# Altium PCB PCB_TEST.PcbDoc (part 5 of 6) (continued)
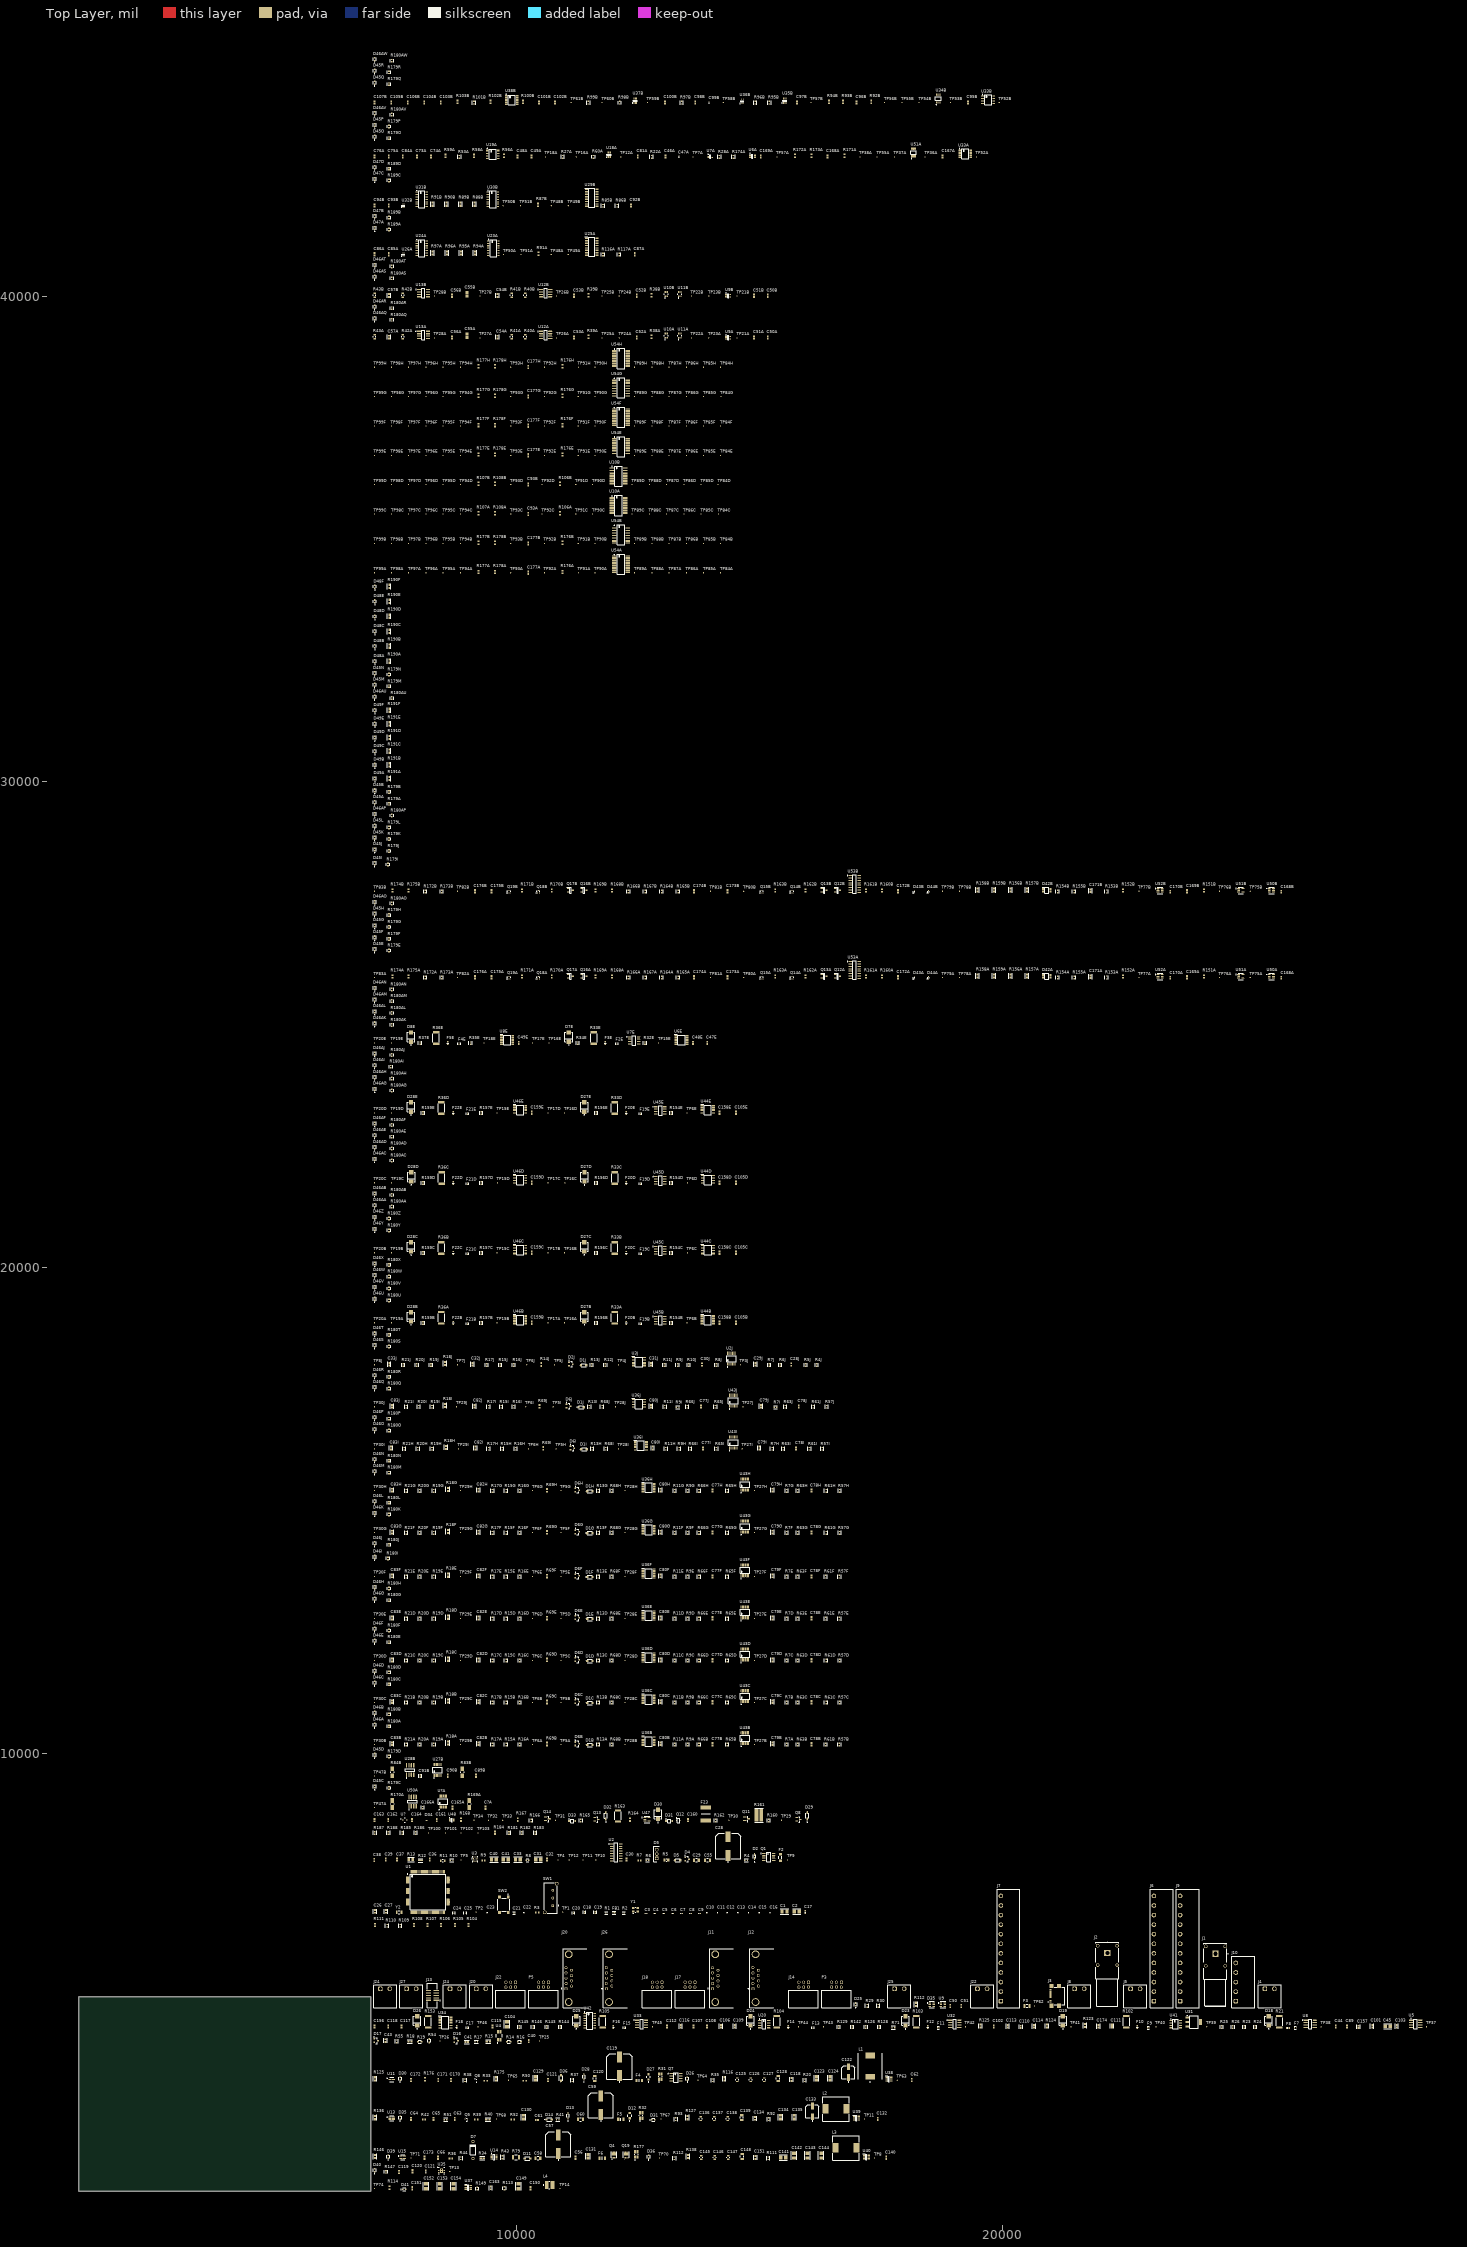
[diagram p0: Top Layer view]
## Part data (continued)
R112: library part CMP-009-00284-1, "Res Thick Film 0603 19.1K Ohm 1% 0.1W(1/10W) ±100ppm/C Pad SMD T/R Automotive AEC-Q200", Case/Package=0603, Max Operating Temperature=155°C, Min Operating Temperature=-55°C, Tolerance=1%, Voltage Rating=75V, Mounting Technology="Surface Mount"
R113: library part CMP-009-00285-1, "CRCW-HP FIXED RESISTOR 0603 (1608Metric) Chip Resistor ±1% ±100ppm/C 33.2kOhm 0.25W 1/4W", Case/Package=0603, Max Operating Temperature=155°C, Min Operating Temperature=-55°C, Tolerance=1%, Voltage Rating=75V, Mounting Technology="Surface Mount"
R116 R125: library part CMP-009-00301-1, "Res Thick Film 0603 12K Ohm 1% 0.1W(1/10W) ±100ppm/C Pad SMD Automotive T/R", Ambient Temperature Range High=70°C, Case/Package=0603, Manufacturer Lifecycle Status=ACTIVE, Max Operating Temperature=155°C, Min Operating Temperature=-55°C, Operating Supply Voltage=75V, Power Rating=100mW, Ratings=AEC-Q200, Temperature Coefficient=100ppm/°C, Tolerance=1%, China RoHS=Non-Compliant, Composition="Thick Film", Export Control Classification Number (ECCN) Code=EAR99, Harmonized Tariff Schedule (HTS) Code=8533.21.00.30, Height=450µm, Introduction Date=2018-03-13, Length=1.6mm, Lifecycle Status=Production, Mounting Technology="Surface Mount", Number of Terminals=2, Packaging="Cut Tape", REACH SVHC=Yes, RoHS=Compliant, Schedule B="8533210025, 8533210025", Voltage Rating=75V, Voltage Rating (DC)=75V, Width=800µm, Working Voltage=75V
R123: library part CMP-009-00271-1, "Fixed Resistor, Thin Film, 0.1W, 20000ohm, 75V, 1% +/-Tol, 50ppm/Cel, Surface Mount, 0603", Case/Package=0603, Max Operating Temperature=125°C, Min Operating Temperature=-55°C, Power Rating=100mW, Temperature Coefficient=50ppm/°C, Tolerance=1%, Voltage Rating=75V, China RoHS=Non-Compliant, Composition="Thin Film", Country of Origin="Germany, Israel", Export Control Classification Number (ECCN) Code=EAR99, Harmonized Tariff Schedule (HTS) Code=8533.21.00.30, Height=450µm, Introduction Date=2008-09-01, Lead Free="Lead Free", Length=1.55mm, Lifecycle Status=Production, Mounting Technology="Surface Mount", Number of Terminals=2, REACH SVHC=Yes, RoHS=Compliant, Width=850µm, Working Voltage=75V
R124 R125: library part CMP-009-00211-1, "Res Thin Film 0603 1M Ohm 0.1% 0.1W(1/10W) ±25ppm/C Sulfur Resistant Pad SMD Automotive T/R", Case/Package=0603, Max Operating Temperature=155°C, Min Operating Temperature=-55°C, Tolerance=0.1%, Voltage Rating=75V, Mounting Technology="Surface Mount"
R127 R136: library part CMP-009-00302-1, "Res Thick Film 0603 5.6K Ohm 1% 0.1W(1/10W) ±100ppm/C Pad SMD Automotive T/R", Ambient Temperature Range High=70°C, Case/Package=0603, Manufacturer Lifecycle Status=ACTIVE, Max Operating Temperature=155°C, Min Operating Temperature=-55°C, Operating Supply Voltage=75V, Power Rating=100mW, Ratings=AEC-Q200, Temperature Coefficient=100ppm/°C, Tolerance=1%, China RoHS=Compliant, Composition="Thick Film", Height=450µm, Length=1.6mm, Lifecycle Status=Production, Mounting Technology="Surface Mount", Number of Terminals=2, Packaging="Cut Tape", REACH SVHC=Yes, RoHS=Compliant, Schedule B="8533210025, 8533210025", Voltage Rating=75V, Voltage Rating (DC)=75V, Width=800µm, Working Voltage=75V
R147 R149 R179A R179B R179C R179D R179E R179F R179G R179H R179I R179J R179K R179L R179M R179N R179O R179P R179Q R179R R180A R180AA R180AB R180AC R180AD R180AE R180AF R180AG R180AH R180AI R180AJ R180AK R180AL R180AM R180AN R180AO R180AP R180AQ R180AR R180AS R180AT R180AU R180AV R180AW R180B R180C R180D R180E R180F R180G R180H R180I R180J R180K R180L R180M R180N R180O R180P R180Q R180R R180S R180T R180U R180V R180W R180X R180Y R180Z R189A R189B R189C R189D: library part CMP-009-00300-1, "Fixed Resistor, Metal Glaze/Thick Film, 0.1W, 680ohm, 75V, 5% +/-Tol, Surface Mount, 0603", Case Code (Imperial)=0603, Max Operating Temperature=155°C, Max Power Dissipation=100mW, Min Operating Temperature=-55°C, Ratings=AEC-Q200, Temperature Coefficient=200ppm/°C, Tolerance=5%, Voltage Rating=75V, Case/Package=0603, China RoHS=Non-Compliant, Composition="Thick Film", Contact Plating=Tin, Country of Origin="Israel, Taiwan", Depth=850µm, Export Control Classification Number (ECCN) Code=EAR99, Features="Automotive AEC-Q200", Harmonized Tariff Schedule (HTS) Code=8533.21.00.30, Height=450µm, Introduction Date=2005-02-16, Lead Free="Lead Free", Length=1.55mm, Lifecycle Status=Production, Military Standard=Not, Mounting Technology="Surface Mount", Number of Terminals=2, Number of Terminations=2, Packaging="Cut Tape", Pins=2, Power Rating=100mW, Radiation Hardening=No, REACH SVHC=Yes, RoHS=Compliant, Schedule B="8533210045, 8533210045", Termination=SMD/SMT, Voltage Rating (DC)=75V, Weight=2.012816mg, Width=850µm, Working Voltage=75V
R151A R151B R152A R152B R160A R160B R161A R161B R168A R168B R169A R169B: library part CMP-009-00023-5, "Chip Resistor, 100 KOhm, +/- 1%, 0.1 W, -55 to 155 degC, 0603 (1608 Metric)", Case/Package=0603, Max Operating Temperature=155°C, Min Operating Temperature=-55°C, Power=100mW, Tolerance=1%, Voltage Rating=50V, Mounting Technology=SM, Pins=2, RoHS Compliant=True
R153A R153B: library part CMP-009-00247-1, "Res Thick Film 0603 200K Ohm 1% 0.1W ±100ppm/°C Molded SMD Paper T/R", Case/Package=0603, Max Operating Temperature=155°C, Max Power Dissipation=100mW, Min Operating Temperature=-55°C, Temperature Coefficient=100ppm/°C, Tolerance=1%, Voltage Rating=75V, China RoHS=Non-Compliant, Composition="Thick Film", Contact Plating=Tin, Country of Origin="Japan, Mainland China, Taiwan", Export Control Classification Number (ECCN) Code=EAR99, Features="Automotive AEC-Q200", Harmonized Tariff Schedule (HTS) Code=8533.21.00.30, Height=450µm, Introduction Date=2011-01-07, Length=1.55mm, Lifecycle Status=Production, Mounting Technology="Surface Mount", Number of Terminals=2, Number of Terminations=2, Packaging="Tape & Reel (TR)", Power Dissipation=100mW, Power Rating=100mW, Radiation Hardening=No, REACH SVHC=Yes, RoHS=Compliant, Width=800µm, Working Voltage=75V
R154A R154B R155A R155B R164A R164B R165A R165B: library part CMP-009-00292-1, "100mW Thin Film Resistor 75V ±25ppm/℃ ±0.1% 2.2kΩ 0603 Chip Resistor - Surface Mount ROHS", Case Code (Imperial)=0603, Max Operating Temperature=155°C, Max Power Dissipation=100mW, Min Operating Temperature=-55°C, Temperature Coefficient=25ppm/°C, Tolerance=0.1%, Voltage Rating=75V, Voltage Rating (DC)=50V, Case/Package=0603, China RoHS=Non-Compliant, Composition="Thin Film", Contact Plating="Lead, Tin", Depth=800µm, Features="Moisture Resistant", Height=450µm, Lead Free="Lead Free", Length=1.6mm, Lifecycle Status=Production, Military Standard=Not, Mounting Technology="Surface Mount", Number of Terminals=2, Number of Terminations=2, Power Rating=100mW, REACH SVHC=Yes, RoHS=Compliant, Schedule B="8533210045, 8533210045", Termination=SMD/SMT, Width=800µm, Working Voltage=75V
R160 R165: library part CMP-03211-009800-1, "CRGCQ 0603 100K 5%", Ambient Temperature Range High=+70°C, Manufacturer="TE Connectivity", Manufacturer Part Number=CRGCQ0603J100K, Package=CRGCQ0603, Power Rating=0.1W, Resistance=100KΩ, Temperature="-55°C to +155°C", Temperature Coefficient=±100ppm/°C, Temperature Range High=+155°C, Temperature Range Low=-55°C, Tolerance=0.05, Voltage Rating=75V, Category=Res, ComponentLink2Description=Datasheet, ComponentLink2URL=https://www.te.com/commerce/DocumentDelivery/DDEController?Action=showdoc&DocId=Data+Sheet%7F1773204-3%7F1%7Fpdf%7FEnglish%7FENG_DS_1773204-3_1.pdf%7F4-2176339-1151, Composition="Thick Film", Device Class L1="Passive Components", Device Class L2=Resistors, Device Class L3="Chip SMD Resistors", Digikey Description="CRGCQ 0603 100K 5%", Height=0.55mm, Ipc Land Pattern Name=RESC16080X45, Lead Free=Yes, Mouser Description="Res, Aec-Q200, Thick Film, 100K, 5%, 0603", Octopart=https://octopart.com/crgcq0603j100k-te+connectivity-91018095, RoHS=TRUE, Series=CRGCQ
R161: library part CMP-08839-006415-1, "High power chip resistors wide terminal type 470Ω 5% 2W 1225", Lead Free="Lead Free"
R162 R166: library part CMP-03211-004384-3, "RES 1M OHM 1% 1/4W 0603", Case Code (Imperial)=0603, Case Code (Metric)=1608, Max Operating Temperature=155°C, Max Power Dissipation=250mW, Min Operating Temperature=-55°C, Resistance=1MR, Resistor Type="Thick Film", Temperature Coefficient=100ppm/°C, Tolerance=1%, Case/Package=0603, Number of Terminations=2, Packaging="Cut Tape", RoHS Compliant=Yes
R163: library part CMP-03211-009678-1, "CRGP 2512 100R 1%", Ambient Temperature Range High=+70°C, Manufacturer=TE, Manufacturer Part Number=CRGP2512F100R, Package=CRGP2512, Power Rating=2W, Resistance=100Ω, Temperature="-55°C to +155°C", Temperature Coefficient=±100ppm/°C, Temperature Range High=+155°C, Temperature Range Low=-55°C, Tolerance=0.01, Voltage Rating=500V, Automotive=No, Category=Res, ComponentLink2Description=Datasheet, ComponentLink2URL=https://www.mouser.ca/datasheet/2/418/NG_DS_9-1773463-9_A-1358566.pdf, Composition="Thick Film", Device Class L1="Passive Components", Device Class L2=Resistors, Device Class L3="Chip SMD Resistors", Digikey Description="CRGP 2512 100R 1%", Height=0.65mm, Ipc Land Pattern Name=RESC635320X55, Lead Free=Yes, Octopart=https://octopart.com/crgp2512f100r-te+connectivity-91019025, RoHS=TRUE, Series=CRGP
R172A R172B R173A R173B: library part CMP-009-00293-1, "Res Thin Film 0603 4.7K Ohm 0.1% 0.1W(1/10W) ±25ppm/C Pad SMD T/R", Case Code (Imperial)=0603, Max Operating Temperature=155°C, Max Power Dissipation=100mW, Min Operating Temperature=-55°C, Temperature Coefficient=25ppm/°C, Tolerance=0.1%, Voltage Rating=75V, Voltage Rating (DC)=50V, Case/Package=0603, China RoHS=Non-Compliant, Composition="Thin Film", Contact Plating="Lead, Tin", Country of Origin="Mainland China, Taiwan", Depth=800µm, Export Control Classification Number (ECCN) Code=EAR99, Features="Moisture Resistant", Harmonized Tariff Schedule (HTS) Code=8533.21.00.30, Height=450µm, Introduction Date=2008-06-09, Lead Free="Lead Free", Length=1.6mm, Lifecycle Status=Production, Military Standard=Not, Mounting Technology="Surface Mount", Number of Terminals=2, Number of Terminations=2, Power Rating=100mW, REACH SVHC=Yes, RoHS=Compliant, Schedule B="8533210045, 8533210045", Termination=SMD/SMT, Weight=2.012816mg, Width=800µm, Working Voltage=75V
R174A R174B R175A R175B: library part CMP-009-00294-1, "100mW Thin Film Resistor 75V ±50ppm/℃ ±0.1% 1kΩ 0603 Chip Resistor - Surface Mount ROHS", Case Code (Imperial)=0603, Max Operating Temperature=155°C, Max Power Dissipation=100mW, Min Operating Temperature=-55°C, Temperature Coefficient=50ppm/°C, Tolerance=0.1%, Voltage Rating (DC)=50V, Working Voltage=75V, Case/Package=0603, China RoHS=Non-Compliant, Composition="Thin Film", Depth=800µm, Features="Moisture Resistant", Height=450µm, Lead Free="Lead Free", Length=1.6mm, Lifecycle Status=Production, Military Standard=Not, Mounting Technology="Surface Mount", Number of Terminals=2, Number of Terminations=2, Packaging="Tape & Reel (TR)", Power Rating=100mW, REACH SVHC=Yes, RoHS=Compliant, Schedule B="8533210045, 8533210045", Width=800µm
R181 R188: library part CMP-009-00265-1, "Res Thin Film 0603 10.2K Ohm 0.1% 1/10W ±25ppm/°C Molded SMD SMD Paper T/R", Case Code (Imperial)=0603, Max Operating Temperature=155°C, Max Power Dissipation=100mW, Min Operating Temperature=-55°C, Temperature Coefficient=25ppm/°C, Tolerance=0.1%, Voltage Rating=75V, Case/Package=0603, China RoHS=Non-Compliant, Composition="Thin Film", Contact Plating=Tin, Country of Origin="Mainland China, Taiwan", Depth=800µm, Export Control Classification Number (ECCN) Code=EAR99, Features="Moisture Resistant", Harmonized Tariff Schedule (HTS) Code=8533.21.00.30, Height=450µm, Introduction Date=2008-06-09, Lead Free="Lead Free", Length=1.6mm, Lifecycle Status=Production, Military Standard=Not, Mounting Technology="Surface Mount", Number of Terminals=2, Number of Terminations=2, Power Rating=100mW, Radiation Hardening=No, REACH SVHC=Yes, RoHS=Compliant, Schedule B="8533210045, 8533210045", Termination=SMD/SMT, Voltage Rating (DC)=75V, Weight=2.012816mg, Width=800µm, Working Voltage=75V
R182 R183: library part CMP-009-00263-1, "100mW Thin Film Resistor 75V ±25ppm/℃ ±0.1% 11.5kΩ 0603 Chip Resistor - Surface Mount ROHS", Case Code (Imperial)=0603, Max Operating Temperature=155°C, Max Power Dissipation=100mW, Min Operating Temperature=-55°C, Temperature Coefficient=25ppm/°C, Tolerance=0.1%, Voltage Rating=75V, Case/Package=0603, China RoHS=Non-Compliant, Composition="Thin Film", Country of Origin="Mainland China, Taiwan", Depth=800µm, Export Control Classification Number (ECCN) Code=EAR99, Features="Moisture Resistant", Harmonized Tariff Schedule (HTS) Code=8533.21.00.30, Height=450µm, Introduction Date=2008-06-09, Lead Free="Lead Free", Length=1.6mm, Lifecycle Status=Production, Military Standard=Not, Mounting Technology="Surface Mount", Number of Terminals=2, Number of Terminations=2, Power Rating=100mW, REACH SVHC=Yes, RoHS=Compliant, Schedule B="8533210045, 8533210045", Termination=SMD/SMT, Voltage Rating (DC)=75V, Weight=2.012816mg, Width=800µm, Working Voltage=75V
R184: library part CMP-009-00279-1, "Res Thin Film 0603 11.3K Ohm 0.1% 0.1W ±25ppm/°C Molded SMD Punched Carrier T/R", Case Code (Imperial)=0603, Case Code (Metric)=1608, Manufacturer Lifecycle Status=ACTIVE, Max Operating Temperature=155°C, Max Power Dissipation=100mW, Min Operating Temperature=-55°C, Ratings=AEC-Q200, Temperature Coefficient=25ppm/°C, Tolerance=0.1%, Voltage Rating=150V, Voltage Rating (DC)=75V, Case/Package=0603, Composition="Thin Film", Contact Plating=Tin, Country of Origin=Japan, Depth=800µm, Export Control Classification Number (ECCN) Code=EAR99, Features="Automotive AEC-Q200", Harmonized Tariff Schedule (HTS) Code=8533.21.00.30, Height=450µm, Introduction Date=2011-03-24, Lead Free="Lead Free", Length=1.6mm, Lifecycle Status=Production, Military Standard=Not, Mounting Technology="Surface Mount", Number of Terminals=2, Number of Terminations=2, Packaging="Tape & Reel", Part Series="Thin Film Chip Resistors, High Reliability Type", Pins=2, Power Rating=100mW, Radiation Hardening=No, REACH SVHC=Yes, RoHS=Compliant, Schedule B="8533210045, 8533210045", Termination=SMD/SMT, Width=800µm, Working Voltage=75V
R185: library part CMP-009-00277-1, "Res Thin Film 0603 3.4K Ohm 0.1% 0.1W(1/10W) ±25ppm/C Pad SMD T/R", Case Code (Imperial)=0603, Max Operating Temperature=155°C, Max Power Dissipation=100mW, Min Operating Temperature=-55°C, Temperature Coefficient=25ppm/°C, Tolerance=0.1%, Voltage Rating=75V, Voltage Rating (DC)=50V, Case/Package=0603, China RoHS=Non-Compliant, Composition="Thin Film", Contact Plating=Tin, Country of Origin="Mainland China, Taiwan", Depth=800µm, Export Control Classification Number (ECCN) Code=EAR99, Features="Moisture Resistant", Harmonized Tariff Schedule (HTS) Code=8533.21.00.30, Height=450µm, Introduction Date=2008-06-09, Lead Free="Lead Free", Length=1.6mm, Lifecycle Status=Production, Military Standard=Not, Mounting Technology="Surface Mount", Number of Terminals=2, Number of Terminations=2, Power Rating=100mW, Radiation Hardening=No, REACH SVHC=Yes, RoHS=Compliant, Schedule B="8533210045, 8533210045", Termination=SMD/SMT, Weight=2.012816mg, Width=800µm, Working Voltage=75V
R186: library part CMP-009-00270-1, "100mW Thin Film Resistor ±25ppm/℃ ±0.1% 6.98kΩ 0603 Chip Resistor - Surface Mount ROHS", Case Code (Imperial)=0603, Max Operating Temperature=155°C, Max Power Dissipation=100mW, Min Operating Temperature=-55°C, Temperature Coefficient=25ppm/°C, Tolerance=0.1%, Voltage Rating=75V, Voltage Rating (DC)=50V, Case/Package=0603, China RoHS=Non-Compliant, Composition="Thin Film", Features="Moisture Resistant", Height=450µm, Lead Free="Lead Free", Length=1.6mm, Lifecycle Status=Production, Mounting Technology="Surface Mount", Number of Terminals=2, Number of Terminations=2, Power Rating=100mW, REACH SVHC=Yes, RoHS=Compliant, Schedule B="8533210045, 8533210045", Termination=SMD/SMT, Width=800µm, Working Voltage=75V
R187: library part CMP-009-00278-1, "100mW Thin Film Resistor ±25ppm/℃ ±0.1% 3.57kΩ 0603 Chip Resistor - Surface Mount ROHS", Case Code (Imperial)=0603, Max Operating Temperature=155°C, Max Power Dissipation=100mW, Min Operating Temperature=-55°C, Temperature Coefficient=25ppm/°C, Tolerance=0.1%, Voltage Rating=75V, Voltage Rating (DC)=50V, Case/Package=0603, China RoHS=Non-Compliant, Composition="Thin Film", Country of Origin="Mainland China, Taiwan", Depth=800µm, Export Control Classification Number (ECCN) Code=EAR99, Features="Moisture Resistant", Harmonized Tariff Schedule (HTS) Code=8533.21.00.30, Height=450µm, Introduction Date=2008-06-09, Lead Free="Lead Free", Length=1.6mm, Lifecycle Status=Production, Military Standard=Not, Mounting Technology="Surface Mount", Number of Terminals=2, Number of Terminations=2, Power Rating=100mW, REACH SVHC=Yes, RoHS=Compliant, Schedule B="8533210045, 8533210045", Termination=SMD/SMT, Weight=2.012816mg, Width=800µm, Working Voltage=75V
R190A R190B R190C R190D R190E R190F: library part CMP-009-00304-1, "Res Thick Film 0603 470 Ohm 5% 0.1W(1/10W) ±100ppm/°C Pad SMD T/R Automotive AEC-Q200", Ambient Temperature Range High=70°C, Case/Package=0603, Manufacturer Lifecycle Status=ACTIVE, Max Operating Temperature=155°C, Min Operating Temperature=-55°C, Operating Supply Voltage=75V, Power Rating=100mW, Ratings=AEC-Q200, Temperature Coefficient=100ppm/°C, Tolerance=5%, China RoHS=Non-Compliant, Composition="Thick Film", Export Control Classification Number (ECCN) Code=EAR99, Harmonized Tariff Schedule (HTS) Code=8533.21.00.30, Height=450µm, Introduction Date=2019-08-26, Length=1.6mm, Lifecycle Status=Production, Mounting Technology="Surface Mount", Number of Terminals=2, Packaging="Cut Tape", REACH SVHC=Yes, RoHS=Compliant, Schedule B="8533210025, 8533210025", Voltage Rating=75V, Voltage Rating (DC)=75V, Width=800µm, Working Voltage=75V
R191A R191B R191C R191D R191E R191F: library part CMP-009-00305-1, "Res Thick Film 0603 180 Ohm 1% 0.1W(1/10W) ±100ppm/C Pad SMD Automotive T/R", Ambient Temperature Range High=70°C, Case/Package=0603, Manufacturer Lifecycle Status=ACTIVE, Max Operating Temperature=155°C, Min Operating Temperature=-55°C, Operating Supply Voltage=75V, Power Rating=100mW, Ratings=AEC-Q200, Temperature Coefficient=100ppm/°C, Tolerance=1%, China RoHS=Non-Compliant, Composition="Thick Film", Export Control Classification Number (ECCN) Code=EAR99, Harmonized Tariff Schedule (HTS) Code=8533.21.00.30, Height=450µm, Introduction Date=2018-03-13, Length=1.6mm, Lifecycle Status=Production, Mounting Technology="Surface Mount", Number of Terminals=2, Packaging="Cut Tape", REACH SVHC=Yes, RoHS=Compliant, Schedule B="8533210025, 8533210025", Voltage Rating=75V, Voltage Rating (DC)=75V, Width=800µm, Working Voltage=75V
SW1: library part CMP-011-00001-2, "Slide Switch, SPDT, 0.3A, 125 V, -20 to 85 degC, 5-Pin THD, RoHS, Tray", Current Rating=300mA, Manufacturer="TE Connectivity", Max Contact Resistance=30mohm, Max Operating Temperature=85°C, Max Voltage Rating (AC)=125V, Min Operating Temperature=-20°C, Operating Force=600gf, Package Description="5-Pin Through Hole Device, Body 6.7 x 16 mm, Pitch 4 mm", Package Quantity=560, Case/Package=1825255-1, Contact Finish=Silver, Contact Material=Copper, Contact Plating=Silver, Datasheet URL=http://www.te.com/commerce/DocumentDelivery/DDEController?Action=showdoc&DocId=Customer+Drawing%7F1825255%7FA4%7Fpdf%7FEnglish%7FENG_CD_1825255_A4_baseFilename.pdf%7F1825255-1, Datasheet Version="Rev. A4, 03/2014", Manufacturer URL=http://www.te.com/, Max Current Rating=300mA, Mounting Technology=TH, Package Reference=1825255-1, Packaging=Bulk, RoHS Compliant=True, Throw Configuration=SPDT, Voltage Rating (AC)=125V
SW2: library part CMP-011-00018-1, "Switch Tactile N.O. SPST Round Button J-Bend 20A 250VAC15VDC SMD Embossed T/R", Case/Package=SMD/SMT, Max Operating Temperature=85°C, Min Operating Temperature=-40°C, Mounting Technology="Surface Mount", Throw Configuration=SPST
TP1 TP2 TP3J TP4 TP4J TP5 TP5A TP5B TP5C TP5D TP5E TP5F TP5G TP5H TP5I TP5J TP6A TP6B TP6B TP6C TP6C TP6D TP6D TP6E TP6E TP6F TP6G TP6H TP6I TP6J TP7A TP7J TP8 TP8J TP9 TP10 TP11 TP11 TP12 TP12A TP13 TP14 TP15B TP15C TP15D TP15E TP15E TP16A TP16A TP16B TP16C TP16D TP16E TP17A TP17B TP17C TP17D TP17E TP18A TP18E TP19A TP19B TP19C TP19D TP19E TP20A TP20B TP20C TP20D TP20E TP21A TP21B TP22A TP22B TP23A TP23B TP24A TP24B TP25 TP25A TP25B TP26 TP26A TP26B TP27A TP27B TP27B TP27C TP27D TP27E TP27F TP27G TP27H TP27I TP27J TP28A TP28B TP28B TP28C TP28D TP28E TP28F TP28G TP28H TP28I TP28J TP29 TP29B TP29C TP29D TP29E TP29F TP29G TP29H TP29I TP29J TP30 TP30B TP30C TP30D TP30E TP30F TP30G TP30H TP30I TP30J TP31 TP32 TP33 TP34 TP36A TP37 TP37A TP38 TP38A TP39 TP40 TP41 TP42 TP43 TP44 TP45 TP46 TP47A TP47B TP48A TP48B TP49A TP49B TP50A TP50B TP51A TP51B TP52A TP52B TP53B TP54B TP55A TP55B TP56B TP57A TP57B TP58B TP59B TP60B TP61B TP62 TP63 TP64 TP65 TP67 TP68 TP70 TP71 TP74 TP75A TP75B TP76A TP76B TP77A TP77B TP78A TP78B TP79A TP79B TP80A TP80B TP81A TP81B TP82A TP82B TP83A TP83B TP84A TP84B TP84C TP84D TP84E TP84F TP84G TP84H TP85A TP85B TP85C TP85D TP85E TP85F TP85G TP85H TP86A TP86B TP86C TP86D TP86E TP86F TP86G TP86H TP87A TP87B TP87C TP87D TP87E TP87F TP87G TP87H TP88A TP88B TP88C TP88D TP88E TP88F TP88G TP88H TP89A TP89B TP89C TP89D TP89E TP89F TP89G TP89H TP90A TP90B TP90C TP90D TP90E TP90F TP90G TP90H TP91A TP91B TP91C TP91D TP91E TP91F TP91G TP91H TP92A TP92B TP92C TP92D TP92E TP92F TP92G TP92H TP93A TP93B TP93C TP93D TP93E TP93F TP93G TP93H TP94A TP94B TP94C TP94D TP94E TP94F TP94G TP94H TP95A TP95B TP95C TP95D TP95E TP95F TP95G TP95H TP96A TP96B TP96C TP96D TP96E TP96F TP96G TP96H TP97A TP97B TP97C TP97D TP97E TP97F TP97G TP97H TP98A TP98B TP98C TP98D TP98E TP98F TP98G TP98H TP99A TP99B TP99C TP99D TP99E TP99F TP99G TP99H TP100 TP101 TP102 TP103: library part CMP-00028-00002-2, "0.6mm round", Pins=1
U1: library part CMP-031-00008-1, "Mcu, 32 Bit, CORTEX-M4, 180MHZ, LQFP-144", Case/Package=LQFP, Frequency=180MHz, Max Supply Voltage=3.6V, Min Supply Voltage=1.7V, Memory Size=512kB, Number of I/Os=114, Pins=144, RAM Size=128kB, REACH SVHC=No